# Altium PCB Smart_Robotic_Arm_ControllerBoard.PcbDoc (continued)
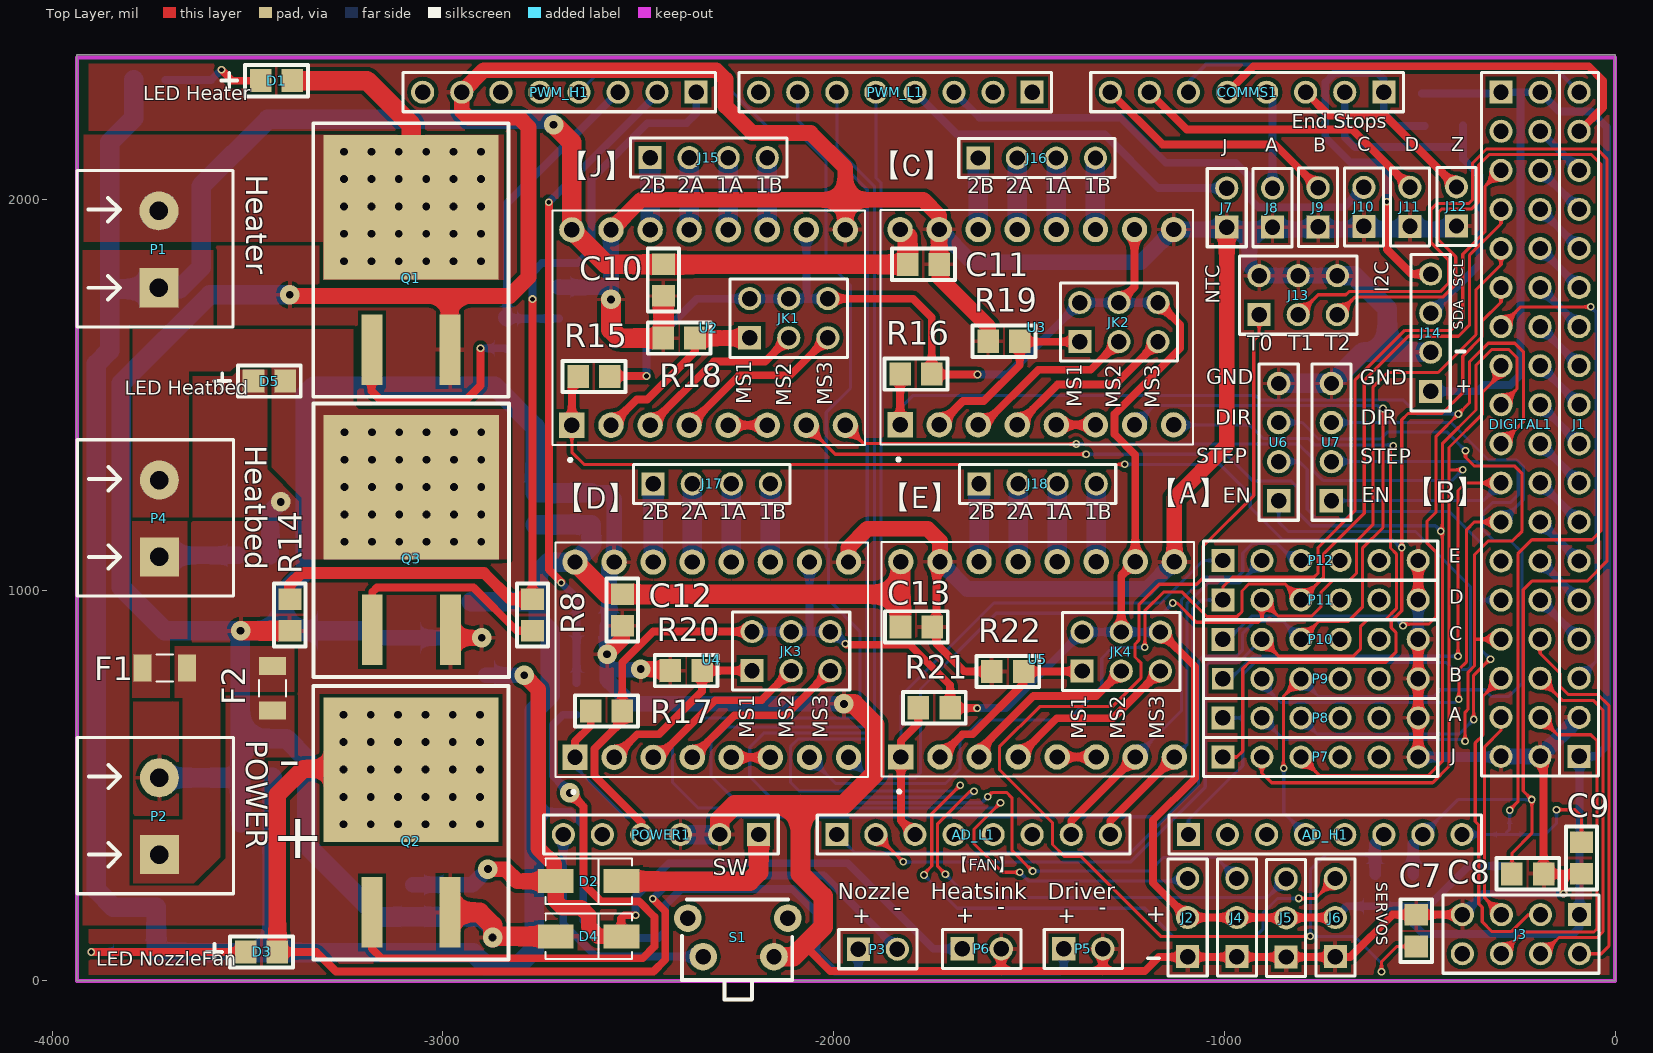
[diagram p0: Top Layer view]
## Nets (pads, with @x,y where several pads share a name; then routed paths per layer and width w, separated by ;. In a path a pad name is that pad's centre, name@x,y a point inside that pad or via, vN(x,y) a via of type N, cw(c..) or ccw(c..) an arc to the next point about the centre after c; other vN are vias at no path point) (continued)
  Bottom Layer w45: P4.1@-3726,1089 R7.2
A0_D54: AD_L1.1 P10.3 U3.7 | length 3064.2
  Top Layer w8: P10.3 -758,920 -683,920 -647,956 -647,1107 -594,1160 v2(-594,1465)
  Bottom Layer w8: AD_L1.1 -1945.5,328 -1240,328 -1066,502 -1066,819.8 -1054.8,831 -969,831 -954,846 -954,888 -922,920 -850,920 P10.3 ; U3.7 -1180,1473 -609,1473 -601,1465 v2(-594,1465)
A1_D55: AD_L1.2 P10.2 U3.8 | length 2890
  Top Layer w8: AD_L1.2 v2(-1822,304.5) ; P10.2 -861,831 -670,831 -652,849 -652,906 -633,925 -587.8,925 -560,952.8 -560,1093 -575,1108 -575,1363 v2(-568,1370)
  Bottom Layer w8: v2@-1822,304 -1241,304 -1049,496 -1049,805 -1039,815 -963,815 P10.2 ; U3.8 -936,1423 -901,1388 -785,1388 -769,1372 -570,1372 v2(-568,1370)
A2_D56: AD_L1.3 P12.1 R21.1 U5.1 | length 1481.8
  Top Layer w20: AD_L1.3 -1828,410.5 U5.1 -1828,614 -1783,659 R21.1
  Bottom Layer w8: U5.1 -1828,729 -1590,967 -1163,967 -1054,1076 P12.1
A3_D57: AD_L1.4
A4_D58: AD_L1.5
A5_D59: AD_L1.6
A6_D60: AD_L1.7 P12.3 U5.7 | length 1111.7
  Top Layer w20: AD_L1.7 -1392,409 U5.7
  Bottom Layer w8: U5.7 -1110.16,690.84 -1110.16,974.84 -1052,1033 -967,1033 -953,1047 -953,1095 -928,1120 -866,1120 P12.3@-822,1076
A7_D61: AD_L1.8 P12.2 U5.8 | length 896.9
  Top Layer w20: AD_L1.8 -1292,409 U5.8
  Bottom Layer w8: U5.8@-1119,582 -1096,605 -1096,965 -1043,1018 -962,1018 P12.2
A8_D62: AD_H1.1 P8.1 U6.1 | length 1943.9
  Bottom Layer w8: AD_H1.1 -1092,412 -970.53,533.47 -970.33,533.47 -953,550.8 -953,673 ; P8.1 -953,673 ; U6.1 -861,1174 -837,1150 -511,1150 -370,1009 -370,804 -377,797 -414,797 -432,815 -922.2,815 -953,784.2 -953,673
A9_D63: AD_H1.2
A10_D64: AD_H1.3
A11_D65: AD_H1.4 P9.3 U7.2 | length 2216.1
  Top Layer w8: v2@-849,544 -849,728 P9.3
  Bottom Layer w8: v2(-848,544) -848,430.5 AD_H1.4 ; P9.3 -759,728 -465,728 -448,745 -334,745 -317,728 -272,728 -238,762 -238,1096 -269,1127 -311,1127 -338,1154 -338,1200 -314,1224 -268,1224 -248,1244 -248,1308 -258,1318 -343,1318 -354,1329 U7.2
A12_D66: AD_H1.5
A13_D67: AD_H1.6 C7.2 J13.1 R11.1 | length 3450.1
  Top Layer w8: J13.1 -911,1653 -925,1639 -925,1242 -1054,1113 -1054,1032 -1071,1015 -1167,1015 -1219,963 -1219,872 -1229,862 -1229,829 -1213,813 -1213,776 -1287,702 -1473,702 -1576,599 -1576,541 -1440,405 -1440,349 -1410,319 -1368,319 -1163,114 v2(-780,114) ; v2(-598,23) -598,49 -559,88 C7.2
  Bottom Layer w8: -614,323 -741,323 -780,284 v2(-780,114) -667,114 -598,45 v2(-598,23)
  Bottom Layer w30: R11.1 -614,323 -614,352.5 AD_H1.6
A14_D68: AD_H1.7 C8.2 J13.3 R12.1 | length 3630.4
  Top Layer w8: J13.3 -760,1756 -689,1756 -681,1764 -448,1764 -426,1786 -426,1844 -471,1889 -471,1975 -456,1990 -374,1990 -365,1999 -365,2093 -329,2129 -46,2129 -21,2104 -21,1074 -72,1023 -213,1023 -235,1001 -235,486 v2(-213,464) -213,378 -264,327 C8.2
  Bottom Layer w8: AD_H1.7 -402.5,464 v2(-213,464)
  Bottom Layer w30: R12.1 -517,349.5
A15_D69: AD_H1.8 C9.2 J13.5 R13.1 | length 3406.6
  Top Layer w8: J13.5 -666,1750 -441,1750 -408,1783 -408,1853 -452,1897 -452,1967 -443,1976 -367,1976 -350,1993 -350,2087 -322,2115 -61,2115 -36,2090 -36,1152 -59,1129 -213,1129 -249,1093 -249,458 v2(-270,437) ; v2(-150,438) -103,438 -86,421 C9.2
  Bottom Layer w8: AD_H1.8 -178.5,374.5 -150,403 v2(-150,438) ; R13.1@-278,380 -270,388 v2(-270,437)
AREF: PWM_H1.8
D22: DIGITAL1.3
D23: DIGITAL1.4 J1.16 | length 141.4
  Bottom Layer w20: DIGITAL1.4 J1.16
D24: DIGITAL1.5 P11.1 R17.1 U4.1 | length 3921.4
  Top Layer w8: P11.1 -1004,1008 -979,1033 -771,1033 -760,1044 -760,1109 -666,1203 -666,1537 -538,1665 -420,1665 -390,1695 -390,1860 -333,1917 -333,2033.5 DIGITAL1.5
  Top Layer w20: U4.1 -2662,613 -2622,653 R17.1
  Bottom Layer w8: U4.1@-2662,548 -2534,420 -1171,420 -1081,510 -1081,953 -1059,975 P11.1
D25: DIGITAL1.6 J1.15 | length 141.4
  Bottom Layer w20: DIGITAL1.6 J1.15
D26: DIGITAL1.7 P11.3 U4.7 | length 3036.1
  Top Layer w8: v2(-1203.53,853.53) -1203.53,947.47 -1156,995 -1108,995 -1046,933 -967,933 -955,945 -955,998 -937,1016 -845,1016 P11.3 -746,1033 -746,1093 -642,1197 -642,1537 -529,1650 -401,1650 -373,1678 -373,1857 -292,1938 DIGITAL1.7
  Bottom Layer w8: U4.7 -1995,505 -1714,505 -1677,542 -1677,613 -1622,668 -1400,668 -1314,754 -1314,825 -1285.53,853.47 -1203.58,853.47 v2(-1203.53,853.53) ; DIGITAL1.7@-292,1960 DIGITAL1.7
D27: DIGITAL1.8 J1.14 | length 141.4
  Bottom Layer w20: DIGITAL1.8 J1.14
D28: DIGITAL1.9 P11.2 U4.8 | length 2848.2
  Top Layer w8: v2(-1132,967) -1121,967 -1072,918 -913,918 -904,927 P11.2 -863,934 -776,934 -753,957 -753,994 -722,1025 -680,1025 -662,1043 -662,1125 -620,1167 -620,1519 -582,1557 -453,1557 -356,1654 -356,1769 -292,1833 DIGITAL1.9
  Bottom Layer w8: U4.8 -1910,520 -1791,520 -1778,533 -1778,747 -1584,941 -1158,941 v2(-1132,967)
D29: DIGITAL1.10 J1.13 | length 141.4
  Bottom Layer w20: DIGITAL1.10 J1.13
D30: DIGITAL1.11 P7.1 R15.1 U2.1 | length 4205.3
  Top Layer w8: U2.1 -2670,1353 -2639,1322 v2(-1255,1322) ; P7.1 -968,573 -953,588 -953,799 -937,815 -587,815 -561,841 -561,892 -573,904 -573,920 -546,947 v2(-546,1109) -546,1436 -530,1452 -443,1452 -390,1505 -390,1599 -341,1648 -341,1688 -292,1737 DIGITAL1.11
  Top Layer w20: U2.1 R15.1@-2670,1531
  Bottom Layer w8: v2(-1255,1322) -1012,1322 -934,1244 -934,1212 -851.53,1129.53 -570.53,1129.53 -550,1109 v2(-546,1109)
D31: DIGITAL1.12 J1.12 | length 141.4
  Bottom Layer w20: DIGITAL1.12 J1.12
D32: DIGITAL1.13 J1.3 | length 1224.8
  Top Layer w8: DIGITAL1.13 -241.5,1725 v2(-62,1725)
  Bottom Layer w8: J1.3 -48.72,817.78 -48.72,1711.72 v2(-62,1725)
D33: DIGITAL1.14 J1.11 | length 141.4
  Bottom Layer w20: DIGITAL1.14 J1.11
D34: DIGITAL1.15 P7.2 U2.8 | length 3328.7
  Top Layer w8: U2.8 -1924,1376 v2(-1379,1374) ; P7.2 -904,532 -879,507 -467,507 -425,549 -425,1365 -340,1450 -340,1506 -292,1554 DIGITAL1.15 ; -424,1308 v2(-390,1308)
  Bottom Layer w8: v2(-1379,1374) -811,1374 -773,1336 -773,1306 -748,1281 -417,1281 v2(-390,1308)
D35: DIGITAL1.16 J1.10 | length 141.4
  Bottom Layer w20: DIGITAL1.16 J1.10
D36: DIGITAL1.17 P7.3 U2.7 | length 3489.4
  Top Layer w8: U2.7 -1996,1348 v2(-1354,1348) ; P7.3 -756,525 -479,525 -442,562 v2@-442,1147 ; v2@-446,1147 v2(-446,1151) -442,1155 -442,1375 -356,1461 -356,1576 -316,1616 -272,1616 -251,1595 -251,1515.5 DIGITAL1.17
  Bottom Layer w8: v2(-1354,1348) -995,1348 -926,1279 -829,1279 -811,1261 -811,1198 -778,1165 -460,1165 v2(-446,1151)
D37: DIGITAL1.18 J1.9 | length 141.4
  Bottom Layer w20: DIGITAL1.18 J1.9
D38: DIGITAL1.19 P10.1 R16.1 U3.1 | length 3358.7
  Top Layer w8: v2(-543,909) -538.47,913.53 -476.47,913.53 -458,932 -458,1097 -481,1120 -481,1177 -458,1200 -458,1394 v2(-401,1451) -373,1479 -373,1584 -325,1632 -257,1632 -234,1609 -234,1432.5 DIGITAL1.19
  Top Layer w20: U3.1 R16.1
  Bottom Layer w8: U3.1 -1830,1466 -1798,1498 -920,1498 -909,1487 -543,1487 -507,1451 v2(-401,1451) ; P10.1 -990,874 -930,934 -568,934 v2(-543,909)
D39: DIGITAL1.20 J1.8 | length 141.4
  Bottom Layer w20: DIGITAL1.20 J1.8
D40: DIGITAL1.21 P9.1 U7.1 | length 1620.9
  Top Layer w8: v2(-402,831) -402,1255 -382.5,1274.5 DIGITAL1.21
  Bottom Layer w8: P9.1 -984,773 -926,831 v2(-402,831) ; U7.1 -337.5,1229 DIGITAL1.21
D41: DIGITAL1.22 J1.7 | length 141.4
  Bottom Layer w20: DIGITAL1.22 J1.7
D42: DIGITAL1.23 P9.2 U7.3 | length 1782.3
  Top Layer w8: v2(-400,721) -400,797 -380,817 -380,1155 -360.5,1174.5 DIGITAL1.23
  Bottom Layer w8: P9.2 -904,760 -856.53,712.53 -408.47,712.53 v2(-400,721) ; U7.3 -420,1429 -324,1333 -252,1333 -234,1315 -234,1232.5 DIGITAL1.23
D43: DIGITAL1.24 J1.6 | length 141.4
  Bottom Layer w20: DIGITAL1.24 J1.6
D44: DIGITAL1.25
D45: DIGITAL1.26 J1.5 | length 141.4
  Bottom Layer w20: DIGITAL1.26 J1.5
D46: DIGITAL1.27 P8.3 U6.2 | length 1683.7
  Top Layer w8: v2(-362,669) -362,782 v2@-320,824
  Bottom Layer w8: U6.2 -808,1329 -788,1309 -788,1207 -763,1182 -689,1182 -670,1201 -424,1201 -342,1119 -342,974.5 ; P8.3 -763,632 -399,632 v2(-362,669) ; v2(-319,823) -342,846 -342,974.5 ; DIGITAL1.27 -342,974.5
D47: DIGITAL1.28 J1.4 | length 141.4
  Bottom Layer w20: DIGITAL1.28 J1.4
D48: DIGITAL1.29 P8.2 U6.3 | length 2091.3
  Top Layer w8: v2(-384,613) -384,687.94 -376.16,695.78 -376.16,790.34 -360,806.5 -360,1091 -325,1126 -263,1126 -238,1151 -238,1298 -258,1318 -361,1318 -383,1340 v2(-383,1357) ; -354.5,874.5 DIGITAL1.29
  Bottom Layer w8: P8.2 -849,618 -389,618 v2(-384,613) ; U6.3 -801,1429 -759,1387 -600,1387 -582,1405 -431,1405 v2(-383,1357)
D49: DIGITAL1.30 J3.2 | length 986
  Top Layer w8: DIGITAL1.30 -192,838 -141,787 -141,754 -120,733 -44,733 -16,705 -16,89 -35.5,69.5 J3.2
D50: DIGITAL1.31 J3.3 | length 804.2
  Top Layer w8: DIGITAL1.31 -338,728.5 -338,629 -358,609 -358,408 -349,399 -349,197 -340,188 -340,151 -315,126 -266,126 -222.5,169.5
D51: DIGITAL1.32 J3.4 | length 945.2
  Top Layer w8: DIGITAL1.32 -135.5,718 -56,718 -31,693 -31,126 -46,111 -143.72,111 -185.22,69.5 J3.4
D52: DIGITAL1.33 J3.5 | length 540.2
  Top Layer w8: DIGITAL1.33 -292,641 -334,599 -334,212.5 J3.5
D53: DIGITAL1.34 J3.6 | length 923.4
  Top Layer w8: J3.6 -235.5,125 -54,125 -46,133 -46,614 -62,630 -147.5,630 DIGITAL1.34
GND: C1.1 C2.1 C3.1 C4.1 C5.1 C6.1 C7.1 C8.1 C9.1 C10.1 C11.1 C12.1 C13.1 D4.1 DIGITAL1.35 DIGITAL1.36 J1.2 J2.1 J3.7 J4.1 J5.1 J6.1 J7.1 J8.1 J9.1 J10.1 J11.1 J12.1 J13.2 J13.4 J13.6 J14.2 P2.2 P5.2 P6.2 P7.6 P8.6 P9.6 P10.6 P11.6 P12.6 POWER1.2 POWER1.3 PWM_H1.7 Q1.2 Q2.2 Q3.2 R3.1 R6.1 R14.1 R18.2 R19.2 R20.2 R22.2 S1.2 U1.2 U2.9 U2.15 U3.9 U3.15 U4.9 U4.15 U5.9 U5.15 U6.4 U7.4 | length 21320.7
  Top Layer w20: -2070.5,86.5 -2009,25 -1571,25 ; U5.15 -1737,1064 -1737,863 -1666,792 R22.2 ; P6.2 -1571,25 ; P5.2 -1311,25 ; J3.7 -569.5,169.5 -678,61 J5.1 -1168,61 -1204,25 -1311,25 ; DIGITAL1.36@-183,565.5 C8.1 -132,274 ; v2(-132,223) -132,274 ; C9.1@-85,275 C9.1 -132,274 ; -1571,25 -1311,25
  Top Layer w25: P7.6 P8.6 P9.6 P10.6 ; P11.6 P12.6
  Top Layer w40: v1@-3385,1753 -2983,1753 ; Q1.2@-2983,1616.42 -2983,1753 ; Q3.2 -2960.58,878 v1@-2912,878 ; v1(-2580,836) -2541,875 C12.1 ; U2.15 -2493,1999 -1970,1999 ; v1(-2494,798) R20.2@-2422,798 ; U2.9 -1970,1999 ; U4.9@-1962,1096 -1962,1109 -1914,1157 -1760,1157 -1728,1125 U5.15 ; R19.2 -1604,1637 -1604,1674 -1730,1800 U3.15 -1730,1958 -1771,1999 -1970,1999 ; U5.9 -1128,1236 -994,1370 J7.1 ; -2983,1753 -2829,1753 -2781,1801 -2781,2185 -2805,2209 -2935,2209 -2952,2226 PWM_H1.7 -2895.5,2331 -2301,2331 -2277,2307 -2277,2239 -2208,2170 -2059,2170 -1970,2081 -1970,1999
  Top Layer w50: v1(-3518,896) R14.1 ; Q2.2 -2906.42,175.42 -2873,142 v1(-2873,111) ; v1@-2870,114 D4.1 ; v1(-2570,1744) -2570,1667 -2548,1645 R18.2 C10.1 ; POWER1.2 -2292,412 -2253,451 -2085,451 ; S1.2 -2103,62 -2027,138 -2027,216 -2085,274 -2085,451 ; v1(-1974,709) -1948,709 -1895,656 -1895,530 -1974,451 -2085,451
  Bottom Layer w20: J3.7 -337.5,223 v2(-132,223)
  Bottom Layer w25: P7.6 -503.66,572.66 DIGITAL1.35@-293.84,572.66 ; P10.6 P11.6
  Bottom Layer w40: U1.2@-3187,878 v1@-2912,878 ; R3.1 -2702,1775 -2570,1775 ; C3.1 -2578,1249 -2562,1233 U4.15 U4.15@-2563.13,1058.04 ; -2580,771 v1(-2580,836) R6.1@-2580,907 ; -2575,766 -2518,709 v1(-1974,709) ; -2575,796 v1@-2496,796 ; R6.1 U4.15@-2575,1059 ; v1(-2570,1744) -2570,1775 ; U2.15 -2570,1775 ; U3.15 -1646,1839 -1214,1839 U3.9 -936,1923 ; U5.15 -1658,1003 -1198,1003 U5.9 ; J13.6 J13.4 J13.2 -936,1830 -936,1923 ; J12.1@-415,1923 -936,1923 ; DIGITAL1.35 DIGITAL1.36 J1.2
  Bottom Layer w50: P2.2 -3519.15,519.85 C2.1 ; C1.1 C2.1 ; v1(-3392,1756) -3597,1756 -3824,1529 -3824,1008 -3712,896 v1(-3518,896) ; U1.2@-3205,896 -3410,896 ; v1(-2873,111) -2873,136 -2901,164 -3165,164 -3349,348 -3349,568 -3401,620 -3519,620 ; C3.1 C4.1 -2764,1418 -2868,1522 -3331,1522 -3352,1501 -3352,1049 -3410,991 -3410,896 ; POWER1.3 POWER1.2 ; U6.4 U7.4 -646,1609 -583,1609 ; J13.6 -668,1805 -583,1720 -583,1609 ; J14.2 -583,1609 ; -3519,620 -3519,889 v1(-3518,896) ; -3519,620 -3519,522 C2.1 ; v1(-3518,896) -3410,896
  other v1: -2901,878
NetD1_1: D1.1 R1.1 | length 265.4
  Top Layer w20: v2(-3567,2332) -3539,2304 D1.1
  Bottom Layer w20: R1.1 -3593,2306 v2(-3567,2332)
NetD1_2: D1.2 P1.2 Q1.3 | length 560.2
  Top Layer w50: D1.2 -3195,2304 -3081,2190 Q1.3@-3081,1982
  other v1: -3253,1842 -3183,1842 -3113,1842 -3043,1842 -2973,1842 -2903,1842 -3253,1912 -3183,1912 -3113,1912 -3043,1912 -2973,1912 -2903,1912 -3253,1982 -3183,1982 -3113,1982 -3043,1982 -2973,1982 -2903,1982 -3253,2052 -3183,2052 -3113,2052 -3043,2052 -2973,2052 -2903,2052 -3253,2122 -3183,2122 -3113,2122 -3043,2122 -2973,2122 -2903,2122
NetD3_1: D3.1 R4.1 | length 480.8
  Top Layer w20: v2(-3900,74) D3.1
  Bottom Layer w20: v2(-3900,74) -3817,74 R4.1
NetD3_2: D3.2 P3.2 Q2.3 | length 2698.3
  Top Layer w20: D3.2 -3324,74 -3274,24 -2461,24 -2431,54 -2431,178 v2(-2463,210)
  Top Layer w45: D3.2 -3424,476 -3357,543 Q2.3@-3080,543
  Bottom Layer w20: v2(-2463,210) -2403,270 -2026,270 P3.2
  other v1: -3255,401 -3185,401 -3115,401 -3045,401 -2975,401 -2905,401 -3255,471 -3185,471 -3115,471 -3045,471 -2975,471 -2905,471 -3255,541 -3185,541 -3115,541 -3045,541 -2975,541 -2905,541 -3255,611 -3185,611 -3115,611 -3045,611 -2975,611 -2905,611 -3255,681 -3185,681 -3115,681 -3045,681 -2975,681 -2905,681
NetD5_1: D5.1 R7.1 | length 149.2
  Bottom Layer w45: R7.1@-3442,1088 -3442,1199 v1(-3415,1226)
NetD5_2: D5.2 P4.2 Q3.3
  other v1: -3252,1124 -3182,1124 -3112,1124 -3042,1124 -2972,1124 -2902,1124 -3252,1194 -3182,1194 -3112,1194 -3042,1194 -2972,1194 -2902,1194 -3252,1264 -3182,1264 -3112,1264 -3042,1264 -2972,1264 -2902,1264 -3252,1334 -3182,1334 -3112,1334 -3042,1334 -2972,1334 -2902,1334 -3252,1404 -3182,1404 -3112,1404 -3042,1404 -2972,1404 -2902,1404
NetF1_1: F1.1 F2.1 P2.1
NetJ15_1: J15.1 U2.14 | length 185
  Bottom Layer w50: U2.14 J15.1
NetJ15_2: J15.2 U2.13 | length 185
  Bottom Layer w50: U2.13 J15.2
NetJ15_3: J15.3 U2.12 | length 185
  Bottom Layer w50: U2.12 J15.3
NetJ15_4: J15.4 U2.11 | length 185
  Bottom Layer w50: U2.11 J15.4
NetJ16_1: J16.1 U3.14 | length 183
  Bottom Layer w50: U3.14 J16.1
NetJ16_2: J16.2 U3.13 | length 183
  Bottom Layer w50: U3.13 J16.2
NetJ16_3: J16.3 U3.12 | length 183
  Bottom Layer w50: U3.12 J16.3
NetJ16_4: J16.4 U3.11 | length 183
  Bottom Layer w50: U3.11 J16.4
NetJ17_1: J17.1 U4.14 | length 200
  Bottom Layer w50: U4.14 J17.1
NetJ17_2: J17.2 U4.13 | length 200
  Bottom Layer w50: U4.13 J17.2
NetJ17_3: J17.3 U4.12 | length 200
  Bottom Layer w50: U4.12 J17.3
NetJ17_4: J17.4 U4.11 | length 200
  Bottom Layer w50: U4.11 J17.4
NetJ18_1: J18.1 U5.14 | length 199
  Bottom Layer w50: U5.14 J18.1
NetJ18_2: J18.2 U5.13 | length 199
  Bottom Layer w50: U5.13 J18.2
NetJ18_3: J18.3 U5.12 | length 199
  Bottom Layer w50: U5.12 J18.3
NetJ18_4: J18.4 U5.11 | length 199
  Bottom Layer w50: U5.11 J18.4
NetJK1_1: JK1.1 R18.1 U2.2 | length 468.3
  Top Layer w20: U2.2 -2504,1488 -2477,1488 -2355,1610 R18.1
  Top Layer w40: R18.1 -2216,1645 JK1.1
NetJK1_3: JK1.3 U2.3 | length 447.8
  Top Layer w20: U2.3 -2307,1585 -2176,1585 JK1.3
NetJK1_5: JK1.5 U2.4 | length 447.8
  Top Layer w20: U2.4 -2242,1550 -2111,1550 JK1.5
NetJK2_1: JK2.1 R19.1 U3.2 | length 484.4
  Top Layer w20: U3.2 -1669,1484 -1616,1484 -1524,1576 R19.1@-1524,1636 ; R19.1 R19.1@-1524,1636 ; JK2.1 R19.1@-1524,1636
NetJK2_3: JK2.3 U3.3 | length 448.2
  Top Layer w20: U3.3 -1617,1423 -1476,1564 -1342,1564 JK2.3
NetJK2_5: JK2.5 U3.4 | length 448.2
  Top Layer w20: U3.4 -1427,1526 -1280,1526 JK2.5
NetJK3_1: JK3.1 R20.1 U4.2 | length 476
  Top Layer w20: U4.2 -2503,631 -2447,631 -2337,741 R20.1 JK3.1
NetJK3_3: JK3.3 U4.3 | length 445
  Top Layer w20: U4.3 -2449,572 -2303,718 -2185,718 JK3.3
NetJK3_5: JK3.5 U4.4 | length 445
  Top Layer w20: U4.4 -2254,680 -2123,680 JK3.5
NetJK4_1: JK4.1 R22.1 U5.2 | length 473.3
  Top Layer w20: U5.2 -1670,631 -1644,631 -1514,761 R22.1 -1365,792 JK4.1
NetJK4_3: JK4.3 U5.3 | length 465.1
  Top Layer w20: U5.3 -1628,590 -1489,729 -1328,729 JK4.3
NetJK4_5: JK4.5 U5.4 | length 455.1
  Top Layer w20: U5.4 -1429,672 -1285,672 JK4.5
NetQ1_1: Q1.1 R2.1 | length 568.3
  Top Layer w20: Q1.1@-3183,1614.42 -3183,1510 -3161,1488 -2940,1488 -2904,1524 v2(-2904,1619)
  Bottom Layer w20: v2(-2904,1619) -2841,1619 R2.1
NetQ2_1: Q2.1 R5.1 | length 1641.5
  Top Layer w20: Q2.1 -3182,83 -3157,58 -2489,58 -2459,88 -2459,164 -2498.5,203.5 -2595.5,203.5 -2640,248 -2640,446 v1(-2675,481)
  Bottom Layer w20: v1(-2675,481) -2719,525 -2719,655 -2693,681 R5.1
NetQ3_1: Q3.1 R8.1 | length 557.5
  Top Layer w20: Q3.1 -3181,995 -3169,1007 -2922,1007 -2811,896 R8.1
NetU2_5: U2.5 U2.6 | length 100
  Top Layer w20: U2.5 U2.6
NetU3_5: U3.5 U3.6 | length 100
  Top Layer w20: U3.5 U3.6
NetU4_5: U4.5 U4.6 | length 100
  Top Layer w20: U4.5 U4.6
NetU5_5: U5.5 U5.6 | length 100
  Top Layer w20: U5.5 U5.6
PWM2_D2: J10.2 PWM_L1.3 | length 1224.9
  Bottom Layer w20: PWM_L1.3 -1626.5,2209 -1265,2209 -1150,2094 -971,2094 -936,2059 -936,2003 -913,1980 -694,1980 J10.2
PWM3_D3: J7.2 PWM_L1.4 | length 899.7
  Bottom Layer w20: PWM_L1.4 -1684.5,2167 -1307,2167 -1169,2029 J7.2
PWM4_D4: J6.3 PWM_L1.5 | length 3897.4
  Top Layer w8: v2(-1769,271) -1769,274 -1749,294 -1749,428 v2(-1676,501) ; v2(-810,211) -767,211 J6.3
  Bottom Layer w8: PWM_L1.5 -1892,2056 -1879,2043 -1879,647 -1907,619 -2091,619 -2111,599 -2111,509 -2088,486 -1691,486 v2(-1676,501) ; v2(-1769,271) -1684,186 -1204,186 -1132,114 -920,114 -901,133 -901,174 -864,211 v2(-810,211)
PWM5_D5: J5.3 PWM_L1.6 | length 3859.9
  Top Layer w8: v2(-1714,273) -1734,293 -1734,402 -1651,485 v2(-1641,485)
  Bottom Layer w8: PWM_L1.6 -1992,2130 -1896,2034 -1896,656 -1918,634 -2179,634 -2215,598 -2215,523 -2162,470 -1656,470 v2(-1641,485) ; v2(-1714,273) -1654,213 -890,213 J5.3
PWM6_D6: J4.3 PWM_L1.7 | length 3769.4
  Top Layer w8: v2(-1606,471) -1595,482 -1557,482 -1544,469 -1544,334 v2(-1491,281)
  Bottom Layer w8: PWM_L1.7 -2092,2203 -1914,2025 -1914,662 -1926,650 -2274,650 -2314,610 -2314,524 -2246,456 -1621,456 v2@-1611,466 ; v2(-1491,281) -1191,281 ; -1190,282 -1156,316 -1022,316 J4.3
PWM7_D7: PWM_L1.8
PWM8_D8: PWM_H1.1 R8.2 R14.2 | length 2281.7
  Top Layer w20: R8.2 v2(-2771,1745)
  Top Layer w30: R14.2 -3392,1014 -3362,1044 -2895,1044 -2828,977 R8.2
  Bottom Layer w20: v2(-2771,1745) -2771,1813 -2747,1837 -2655,1837 -2620,1872 -2620,2052 -2477,2195 -2377,2195 -2352,2220 PWM_H1.1
PWM9_D9: PWM_H1.2 R5.2 R6.2 | length 1650.1
  Top Layer w20: v2(-2729,1993) -2729,1053 v2@-2697,1021
  Bottom Layer w20: v2(-2729,1993) PWM_H1.2@-2452,2270 ; v2(-2697,1019) -2658,980 R5.2
PWM10_D10: PWM_H1.3 R2.2 R3.2 | length 834.4
  Bottom Layer w20: R3.2 -2772,1695 -2836,1695 -2836,1990.5 PWM_H1.3
  Bottom Layer w40: R2.2 R2.2@-2836,1695
PWM11_D11: J2.3 PWM_H1.4 | length 4461.7
  Top Layer w8: v2(-1573,456) -1641,388 -1641,351 -1568,278 v2(-1524,278)
  Bottom Layer w8: PWM_H1.4 -2591.5,2335 -2319,2335 -2166,2182 -2102,2182 -2020,2100 -2020,1843 -1957,1780 -1957,1517 -2019,1455 -2019,1109 -2013,1103 -2013,975 -1933,895 -1933,682 -1942,673 -2355,673 -2413,615 -2413,509 -2346,442 -1587,442 v2@-1576.5,452.5 ; v2(-1524,278) -1502,256 J2.3@-1094,256
PWM12_D12: PWM_H1.5
PWM13_D13: PWM_H1.6
RESET: POWER1.6 S1.1 | length 621.3
  Bottom Layer w20: POWER1.6 -2692,146 -2608,62 S1.1
RX0_D0: PWM_L1.1
RX1_D19: COMMS1.3 J12.2 | length 486.4
  Top Layer w20: COMMS1.3 -732.5,2215 -589,2215 J12.2
RX2_D17: COMMS1.5 J1.17 | length 1158.5
  Top Layer w20: COMMS1.5 -925.67,2340.83 -67.83,2340.83 -31,2304 -31,2235.5 J1.17
RX3_D15: COMMS1.7 J11.2 | length 767.9
  Top Layer w20: COMMS1.7 -1096.5,2179 -673,2179 J11.2
SCL_D21: COMMS1.1 J14.4 R9.1 | length 1048.8
  Top Layer w20: v2(-584,1994) -584,1872 -521,1809 J14.4 J14.4@-469,1812
  Bottom Layer w20: v2@-583,1995 -583,2072 -606,2095 -678,2095 -742,2159 -742,2299 -718,2323 -607,2323 -592,2308 COMMS1.1 -592,2220 -560,2188 R9.1
SDA_D20: COMMS1.2 J14.3 R10.1 | length 977.4
  Bottom Layer w20: COMMS1.2 -692,2160 -666,2134 -389,2134 ; J14.3 -347,1834 -347,2062 -389,2104 -389,2134 ; R10.1 -389,2134
TX0_D1: PWM_L1.2
TX1_D18: COMMS1.4 J8.2 | length 251.7
  Bottom Layer w20: COMMS1.4 -877,2259.5 J8.2
TX2_D16: COMMS1.6 J1.18 | length 1074.3
  Bottom Layer w10: COMMS1.6 -1092,2301 -1047.55,2345.45 -162.95,2345.45 J1.18
TX3_D14: COMMS1.8 J9.2 | length 633.3
  Top Layer w20: COMMS1.8 -1158.5,2141 -871,2141 J9.2
VIN: D2.2 POWER1.1 | length 441.8
  Top Layer w50: D2.2@-2527.75,255 -2215,255 -2192,278 POWER1.1
pads on no net: J3.8 P7.4 P7.5 P8.4 P8.5 P9.4 P9.5 P10.4 P10.5 P11.4 P11.5 P12.4 P12.5 S1.3

## Polygon pours and split planes (outlines as drawn)
GND on Bottom Layer "Bottom Layer-GND" (solid, pour order 41): -3932.99,2352 0,2352 0,0 -3932.99,0
NetD1_2 on Bottom Layer "Bottom Layer-NetD1_2" (solid, pour order 14): -3308,2167 -2858,2167 -2856,2165 -2856,1792 -3310,1792 -3311,1793 -3309,1795 -3309,2168
NetD5_2 on Bottom Layer "Bottom Layer-NetD5_2" (solid, pour order 12): -3307,1448 -2855,1448 -2854,1447 -2854,1077 -3307,1077
NetD3_2 on Bottom Layer "Bottom Layer-NetD3_2" (solid, pour order 0): -3305,725 -3304,724 -2860,724 -2860,359 -3306,359 -3306,723 -3305,724
GND on Top Layer "Top Layer-GND1" (solid, pour order 40): -3907,2370 0,2370 0,0 -3907,0
+24V on Top Layer "Top Layer-+24V" (solid, pour order 36): -3803.5,142 -3922.5,142 -3922.5,1870 -3588.5,1870 -3588.5,1678 -3803.5,1678
NetD1_2 on Top Layer "Top Layer-NetD1_2" (solid, pour order 34): -3306,1892 -3919,1892 -3919,2165 -2844,2165 -2844,1795 -3306,1795
NetD5_1 on Top Layer "Top Layer-NetD5_1" (solid, pour order 32): -3523,1564 -3539,1548 -3640,1548 -3640,1186 -3368,1186 -3369,1187 -3369,1228 -3450,1309 -3450,1564
NetD5_2 on Top Layer "Top Layer-NetD5_2" (solid, pour order 30): -3794,1186 -3651,1186 -3651,1560 -3544,1560 -3528,1576 -3446,1576 -3438,1568 -3438,1314 -3361,1237 -3361,1083 -3357,1079 -2831,1079 -2831,1461 -2833,1463 -3215,1463 -3230,1478 -3230,1668 -3794,1668
+24V2 on Top Layer "Top Layer-+24V2" (solid, pour order 28): -3699,724 -3795,724 -3795,1177 -3654,1177 -3654,876 -3699,876
NetF1_1 on Top Layer "Top Layer-NetF1_1" (solid, pour order 26): -3793,245 -3793,413 -3666,413 -3666,724 -3687,724 -3687,857 -3561,857 -3381,857 -3381,740 -3570,740 -3570,317 -3642,245
+24V on Top Layer "Top Layer-+24V 1" (solid, pour order 24): -3381,730 -3381,572 -3458,572 -3458,142 -3899,142 -3899,243 -3627,243 -3556,314 -3556,730
+24V on Top Layer "Top Layer-+24V 2" (solid, pour order 22): -3947,1187
NetD3_2 on Top Layer "Top Layer-NetD3_2" (solid, pour order 2): -3100,1224

## Keep-outs
Keep-Out Layer:
  lines w10: -3937.01,0 0,0 0,2363 -3937.01,2363 -3937.01,0

## Silkscreen, mask and mechanical layers (free items; w line width, h text height)
Top Overlay:
  lines w8: -1197,58 -1166,58
  lines w10: -405.5,1610.5 -385.5,1610.5
  text "LED Heater" at -3767,2243 h60
  text "End Stops" at -827,2171 h60
  text "C" at -660,2112 h60
  text "D" at -538,2112 h60
  text "Z" at -420,2112 h60
  text "J" at -1006,2111 h60
  text "A" at -896,2111 h60
  text "B" at -773,2111 h60
  text "Heater" at -3523,2063 h95 r270
  text "【C】" at -1904,2040 h98.43
  text "【J】" at -2702,2039 h98.43
  text "2B" at -2498,2004 h65
  text "2A" at -2400,2004 h65
  text "1A" at -2301,2004 h65
  text "1B" at -2199,2004 h65
  text "2B" at -1658,2003 h65
  text "2A" at -1560,2003 h65
  text "1A" at -1461,2003 h65
  text "1B" at -1359,2003 h65
  text "SCL" at -380,1777 h45 r90
  text "I2C" at -568,1763 h60 r90
  text "NTC" at -1001,1733 h60 r90
  text "SDA" at -380,1667 h45 r90
  text "T1" at -837,1601 h65
  text "T2" at -742,1601 h65
  text "T0" at -942,1600 h65
  text "GND" at -1046,1514 h65
  text "GND" at -653,1513 h65
  text "+" at -409.49,1493.08 h65
  text "LED Heatbed" at -3815,1489 h60
  text "MS1" at -2198,1476 h65 r90
  text "MS3" at -1991,1473 h65 r90
  text "MS2" at -2096,1471 h65 r90
  text "MS1" at -1352,1468 h65 r90
  text "MS3" at -1153,1466 h65 r90
  text "MS2" at -1253,1465 h65 r90
  text "DIR" at -1023,1410 h65
  text "DIR" at -651,1410 h65
  text "Heatbed" at -3525,1371 h95 r270
  text "STEP" at -1072,1312 h65
  text "STEP" at -652,1311 h65
  text "EN" at -649,1212 h65
  text "EN" at -1004,1211 h65
  text "【B】" at -539,1204 h98.43
  text "【A】" at -1193,1202 h98.43
  text "【E】" at -1881,1191 h98.43
  text "【D】" at -2714,1189 h98.43
  text "2B" at -2490,1169 h65
  text "2A" at -2392,1169 h65
  text "1A" at -2293,1169 h65
  text "1B" at -2191,1169 h65
  text "2B" at -1656,1169 h65
  text "2A" at -1558,1169 h65
  text "1A" at -1459,1169 h65
  text "1B" at -1357,1169 h65
  text "E" at -426,1058 h60
  text "D" at -425,954 h60
  text "C" at -425,859 h60
  text "B" at -425,754 h60
  text "A" at -426,653 h60
  text "MS1" at -2190,621 h65 r90
  text "MS2" at -2090,621 h65 r90
  text "MS3" at -2003,621 h65 r90
  text "MS1" at -1341,618 h65 r90
  text "MS2" at -1241,618 h65 r90
  text "MS3" at -1141,618 h65 r90
  text "POWER" at -3523,616 h95 r270
  text "J" at -421,551 h60
  text "-" at -3422,477 h200
  text "+" at -3438,275 h200
  text "【FAN】" at -1698,270 h55
  text "SERVOS" at -621,252 h50 r270
  text "Nozzle" at -1989,195 h70
  text "Heatsink" at -1752,195 h70
  text "Driver" at -1452,195 h70
  text "+" at -1695,190 h70 r270
  text "+" at -1436,189 h70 r270
  text "+" at -1960,188 h70 r270
  text "-" at -1581,156 h70
  text "-" at -1322,155 h70
  text "-" at -1846,154 h70
  text "+" at -1201,135 h78.74
  text "LED NozzleFan" at -3887,27 h60
Bottom Solder:
  rectangle: -3307,1795 -2857,2165
  rectangle: -3307,1078 -2856,1448
  rectangle: -3307,355 -2857,725
Mechanical 4:
  lines w10: 0,2363 -3937.01,2363 -3937.01,0 0,0 0,2363 ; 0,2363 0,2363